# Altium PCB PCB2_homemade.PcbDoc (part 2 of 3)
Units mil, origin at the board's own origin, x right, y up, seen from the top; angles counter-clockwise.
Board outline 3547.27 x 5122.08 mil, 2 copper layers (Top Layer, Bottom Layer); 55 components, 55 nets, 298 pads, 98 vias.
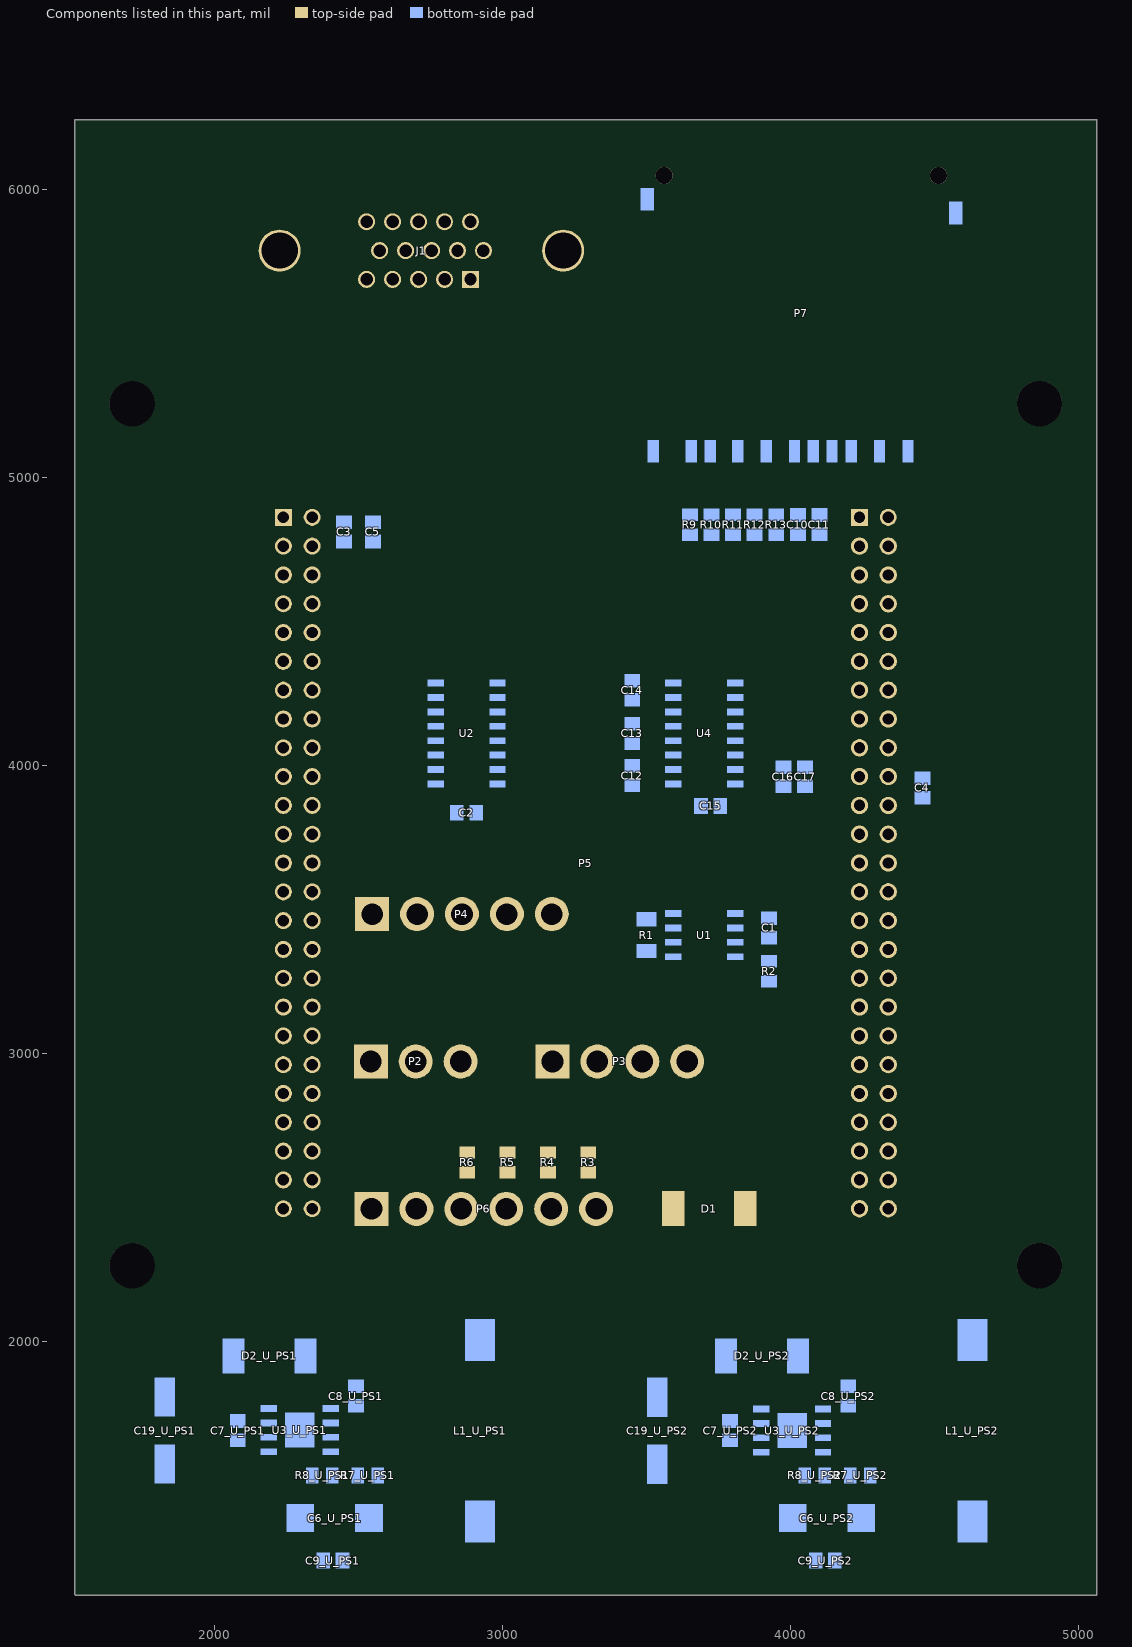
[diagram p2: the components of this part, seen from the top]

## Via types
v1: diameter 35.43/35.43 (per signal layer), hole 11.81, Top Layer to Bottom Layer, tented both sides, 66 vias
v2: diameter 47.24/47.24 (per signal layer), hole 19.68, Top Layer to Bottom Layer, tented both sides, 17 vias
v3: diameter 35.43, hole 11.81, Top Layer to Bottom Layer, tented top, 12 vias
v4: diameter 47.24/47.24 (per signal layer), hole 19.68, Top Layer to Bottom Layer, 3 vias

## Nets (pads, with @x,y where several pads share a name; then routed paths per layer and width w, separated by ;. In a path a pad name is that pad's centre, name@x,y a point inside that pad or via, vN(x,y) a via of type N, cw(c..) or ccw(c..) an arc to the next point about the centre after c; other vN are vias at no path point) (continued)
copper on no net: (continued)
  Bottom Layer w1: 1663.05,3105 1663.05,3726 ; 1664.05,3105 1664.05,3726 ; 1665.05,3105 1665.05,3726 ; 1666.05,3105 1666.05,3726 ; 1667.05,3105 1667.05,3726 ; 1668.05,3105 1668.05,3726 ; 1669.05,3105 1669.05,3726 ; 1670.05,3105 1670.05,3726 ; 1671.05,3105 1671.05,3726 ; 1672.05,3105 1672.05,3726 ; 1673.05,3105 1673.05,3726 ; 1674.05,3105 1674.05,3726 ; 1675.05,3105 1675.05,3726 ; 1676.05,3105 1676.05,3726 ; 1677.05,3105 1677.05,3726 ; 1678.05,3105 1678.05,3726 ; 1679.05,3105 1679.05,3726 ; 1680.05,3105 1680.05,3726 ; 1681.05,3105 1681.05,3726 ; 1682.05,3105 1682.05,3726 ; 1683.05,3105 1683.05,3726 ; 1684.05,3105 1684.05,3726 ; 1685.05,3105 1685.05,3726 ; 1686.05,3105 1686.05,3726 ; 1687.05,3105 1687.05,3726 ; 1688.05,3105 1688.05,3726 ; 1689.05,3105 1689.05,3726 ; 1690.05,3105 1690.05,3726 ; 1691.05,3105 1691.05,3726 ; 1692.05,3105 1692.05,3726 ; 1693.05,3105 1693.05,3726 ; 1694.05,3105 1694.05,3726 ; 1695.05,3105 1695.05,3726 ; 1696.05,3105 1696.05,3726 ; 1697.05,3105 1697.05,3726 ; 1698.05,3105 1698.05,3726 ; 1699.05,3105 1699.05,3726 ; 1700.05,3105 1700.05,3726 ; 1701.05,3105 1701.05,3605 ; 1701.05,3614 1701.05,3726 ; 1702.05,3105 1702.05,3602 ; 1702.05,3615 1702.05,3726 ; 1703.05,3105 1703.05,3599 ; 1703.05,3616 1703.05,3726 ; 1704.05,3105 1704.05,3597 ; 1704.05,3616 1704.05,3726 ; 1705.05,3105 1705.05,3595 ; 1705.05,3617 1705.05,3726 ; 1706.05,3105 1706.05,3139 ; 1706.05,3142 1706.05,3161 ; 1706.05,3188 1706.05,3235 ; 1706.05,3237 1706.05,3255 ; 1706.05,3285 1706.05,3295 ; 1706.05,3297 1706.05,3307 ; 1706.05,3309 1706.05,3350 ; 1706.05,3365 1706.05,3370 ; 1706.05,3399 1706.05,3594 ; 1706.05,3617 1706.05,3726 ; 1707.05,3105 1707.05,3138 ; 1707.05,3143 1707.05,3158 ; 1707.05,3191 1707.05,3233 ; 1707.05,3239 1707.05,3252 ; 1707.05,3287 1707.05,3293 ; 1707.05,3299 1707.05,3305 ; 1707.05,3311 1707.05,3347 ; 1707.05,3365 1707.05,3368 ; 1707.05,3402 1707.05,3592 ; 1707.05,3608 1707.05,3610 ; 1707.05,3617 1707.05,3726 ; 1708.05,3105 1708.05,3137 ; 1708.05,3144 1708.05,3156 ; 1708.05,3193 1708.05,3232 ; 1708.05,3239 1708.05,3250 ; 1708.05,3288 1708.05,3292 ; 1708.05,3300 1708.05,3304 ; 1708.05,3312 1708.05,3345 ; 1708.05,3365 1708.05,3367 ; 1708.05,3404 1708.05,3591 ; 1708.05,3606 1708.05,3611 ; 1708.05,3617 1708.05,3726 ; 1709.05,3105 1709.05,3137 ; 1709.05,3145 1709.05,3155 ; 1709.05,3194 1709.05,3232 ; 1709.05,3239 1709.05,3248 ; 1709.05,3288 1709.05,3292 ; 1709.05,3300 1709.05,3304 ; 1709.05,3312 1709.05,3344 ; 1709.05,3365 1709.05,3367 ; 1709.05,3405 1709.05,3590 ; 1709.05,3604 1709.05,3611 ; 1709.05,3617 1709.05,3726 ; 1710.05,3105 1710.05,3137 ; 1710.05,3145 1710.05,3154 ; 1710.05,3196 1710.05,3232 ; 1710.05,3239 1710.05,3247 ; 1710.05,3288 1710.05,3292 ; 1710.05,3300 1710.05,3304 ; 1710.05,3312 1710.05,3343 ; 1710.05,3365 1710.05,3367 ; 1710.05,3406 1710.05,3588 ; 1710.05,3603 1710.05,3612 ; 1710.05,3617 1710.05,3726 ; 1711.05,3105 1711.05,3137 ; 1711.05,3145 1711.05,3153 ; 1711.05,3197 1711.05,3232 ; 1711.05,3239 1711.05,3246 ; 1711.05,3288 1711.05,3292 ; 1711.05,3300 1711.05,3304 ; 1711.05,3312 1711.05,3342 ; 1711.05,3365 1711.05,3368 ; 1711.05,3407 1711.05,3587 ; 1711.05,3601 1711.05,3612 ; 1711.05,3617 1711.05,3726 ; 1712.05,3105 1712.05,3137 ; 1712.05,3145 1712.05,3152 ; 1712.05,3198 1712.05,3232 ; 1712.05,3239 1712.05,3246 ; 1712.05,3287 1712.05,3292 ; 1712.05,3300 1712.05,3304 ; 1712.05,3312 1712.05,3341 ; 1712.05,3365 1712.05,3368 ; 1712.05,3408 1712.05,3585 ; 1712.05,3600 1712.05,3611 ; 1712.05,3616 1712.05,3726 ; 1713.05,3105 1713.05,3137 ; 1713.05,3145 1713.05,3151 ; 1713.05,3163 1713.05,3186 ; 1713.05,3199 1713.05,3232 ; 1713.05,3239 1713.05,3245 ; 1713.05,3259 1713.05,3292 ; 1713.05,3300 1713.05,3304 ; 1713.05,3312 1713.05,3340 ; 1713.05,3353 1713.05,3358 ; 1713.05,3365 1713.05,3395 ; 1713.05,3409 1713.05,3583 ; 1713.05,3598 1713.05,3611 ; 1713.05,3616 1713.05,3726 ; 1714.05,3105 1714.05,3137 ; 1714.05,3145 1714.05,3151 ; 1714.05,3160 1714.05,3189 ; 1714.05,3199 1714.05,3232 ; 1714.05,3239 1714.05,3245 ; 1714.05,3254 1714.05,3292 ; 1714.05,3300 1714.05,3304 ; 1714.05,3312 1714.05,3339 ; 1714.05,3350 1714.05,3358 ; 1714.05,3365 1714.05,3400 ; 1714.05,3409 1714.05,3581 ; 1714.05,3597 1714.05,3611 ; 1714.05,3615 1714.05,3726 ; 1715.05,3105 1715.05,3137 ; 1715.05,3145 1715.05,3151 ; 1715.05,3159 1715.05,3190 ; 1715.05,3200 1715.05,3232 ; 1715.05,3239 1715.05,3244 ; 1715.05,3253 1715.05,3292 ; 1715.05,3300 1715.05,3304 ; 1715.05,3312 1715.05,3338 ; 1715.05,3348 1715.05,3357 ; 1715.05,3365 1715.05,3401 ; 1715.05,3409 1715.05,3578 ; 1715.05,3596 1715.05,3611 ; 1715.05,3615 1715.05,3726 ; 1716.05,3105 1716.05,3137 ; 1716.05,3145 1716.05,3150 ; 1716.05,3158 1716.05,3191 ; 1716.05,3201 1716.05,3232 ; 1716.05,3239 1716.05,3244 ; 1716.05,3252 1716.05,3292 ; 1716.05,3300 1716.05,3304 ; 1716.05,3312 1716.05,3337 ; 1716.05,3347 1716.05,3357 ; 1716.05,3365 1716.05,3401 ; 1716.05,3410 1716.05,3575 ; 1716.05,3598 1716.05,3611 ; 1716.05,3614 1716.05,3726 ; 1717.05,3105 1717.05,3137 ; 1717.05,3145 1717.05,3150 ; 1717.05,3158 1717.05,3192 ; 1717.05,3202 1717.05,3232 ; 1717.05,3239 1717.05,3244 ; 1717.05,3252 1717.05,3292 ; 1717.05,3300 1717.05,3304 ; 1717.05,3312 1717.05,3337 ; 1717.05,3346 1717.05,3357 ; 1717.05,3365 1717.05,3402 ; 1717.05,3410 1717.05,3572 ; 1717.05,3601 1717.05,3611 ; 1717.05,3613 1717.05,3726 ; 1718.05,3105 1718.05,3137 ; 1718.05,3145 1718.05,3150 ; 1718.05,3158 1718.05,3193 ; 1718.05,3202 1718.05,3232 ; 1718.05,3239 1718.05,3244 ; 1718.05,3252 1718.05,3292 ; 1718.05,3300 1718.05,3304 ; 1718.05,3312 1718.05,3336 ; 1718.05,3345 1718.05,3357 ; 1718.05,3365 1718.05,3402 ; 1718.05,3410 1718.05,3569 ; 1718.05,3603 1718.05,3726 ; 1719.05,3105 1719.05,3137 ; 1719.05,3145 1719.05,3150 ; 1719.05,3158 1719.05,3194 ; 1719.05,3203 1719.05,3232 ; 1719.05,3239 1719.05,3244 ; 1719.05,3252 1719.05,3292 ; 1719.05,3300 1719.05,3304 ; 1719.05,3312 1719.05,3335 ; 1719.05,3344 1719.05,3357 ; 1719.05,3365 1719.05,3402 ; 1719.05,3410 1719.05,3567 ; 1719.05,3605 1719.05,3726 ; 1720.05,3105 1720.05,3137 ; 1720.05,3145 1720.05,3150 ; 1720.05,3158 1720.05,3194 ; 1720.05,3204 1720.05,3232 ; 1720.05,3239 1720.05,3244 ; 1720.05,3252 1720.05,3292 ; 1720.05,3300 1720.05,3304 ; 1720.05,3312 1720.05,3334 ; 1720.05,3344 1720.05,3357 ; 1720.05,3365 1720.05,3402 ; 1720.05,3410 1720.05,3566 ; 1720.05,3606 1720.05,3726 ; 1721.05,3105 1721.05,3137 ; 1721.05,3145 1721.05,3150 ; 1721.05,3159 1721.05,3195 ; 1721.05,3204 1721.05,3232 ; 1721.05,3239 1721.05,3244 ; 1721.05,3252 1721.05,3292 ; 1721.05,3300 1721.05,3304 ; 1721.05,3312 1721.05,3334 ; 1721.05,3343 1721.05,3357 ; 1721.05,3365 1721.05,3402 ; 1721.05,3410 1721.05,3565 ; 1721.05,3607 1721.05,3726 ; 1722.05,3105 1722.05,3137 ; 1722.05,3145 1722.05,3151 ; 1722.05,3161 1722.05,3196 ; 1722.05,3205 1722.05,3232 ; 1722.05,3239 1722.05,3244 ; 1722.05,3252 1722.05,3292 ; 1722.05,3300 1722.05,3304 ; 1722.05,3312 1722.05,3333 ; 1722.05,3342 1722.05,3357 ; 1722.05,3365 1722.05,3402 ; 1722.05,3410 1722.05,3565 ; 1722.05,3608 1722.05,3726 ; 1723.05,3105 1723.05,3137 ; 1723.05,3145 1723.05,3151 ; 1723.05,3174 1723.05,3196 ; 1723.05,3205 1723.05,3232 ; 1723.05,3239 1723.05,3244 ; 1723.05,3252 1723.05,3292 ; 1723.05,3300 1723.05,3304 ; 1723.05,3312 1723.05,3332 ; 1723.05,3342 1723.05,3357 ; 1723.05,3365 1723.05,3379 ; 1723.05,3410 1723.05,3564 ; 1723.05,3609 1723.05,3726 ; 1724.05,3105 1724.05,3137 ; 1724.05,3145 1724.05,3151 ; 1724.05,3178 1724.05,3197 ; 1724.05,3206 1724.05,3232 ; 1724.05,3239 1724.05,3244 ; 1724.05,3252 1724.05,3292 ; 1724.05,3300 1724.05,3304 ; 1724.05,3312 1724.05,3332 ; 1724.05,3341 1724.05,3357 ; 1724.05,3365 1724.05,3377 ; 1724.05,3410 1724.05,3444 ; 1724.05,3446 1724.05,3563 ; 1724.05,3610 1724.05,3726 ; 1725.05,3105 1725.05,3137 ; 1725.05,3145 1725.05,3152 ; 1725.05,3180 1725.05,3198 ; 1725.05,3207 1725.05,3232 ; 1725.05,3239 1725.05,3244 ; 1725.05,3252 1725.05,3292 ; 1725.05,3300 1725.05,3304 ; 1725.05,3312 1725.05,3331 ; 1725.05,3340 1725.05,3357 ; 1725.05,3365 1725.05,3377 ; 1725.05,3410 1725.05,3444 ; 1725.05,3447 1725.05,3563 ; 1725.05,3610 1725.05,3726 ; 1726.05,3105 1726.05,3137 ; 1726.05,3144 1726.05,3153 ; 1726.05,3182 1726.05,3198 ; 1726.05,3207 1726.05,3232 ; 1726.05,3239 1726.05,3244 ; 1726.05,3252 1726.05,3292 ; 1726.05,3300 1726.05,3304 ; 1726.05,3312 1726.05,3330 ; 1726.05,3340 1726.05,3357 ; 1726.05,3365 1726.05,3377 ; 1726.05,3410 1726.05,3444 ; 1726.05,3448 1726.05,3562 ; 1726.05,3611 1726.05,3726 ; 1727.05,3105 1727.05,3137 ; 1727.05,3144 1727.05,3154 ; 1727.05,3183 1727.05,3199 ; 1727.05,3208 1727.05,3232 ; 1727.05,3239 1727.05,3244 ; 1727.05,3252 1727.05,3292 ; 1727.05,3300 1727.05,3304 ; 1727.05,3312 1727.05,3330 ; 1727.05,3339 1727.05,3357 ; 1727.05,3365 1727.05,3377 ; 1727.05,3410 1727.05,3435 ; 1727.05,3437 1727.05,3444 ; 1727.05,3449 1727.05,3561 ; 1727.05,3611 1727.05,3726 ; 1728.05,3105 1728.05,3137 ; 1728.05,3144 1728.05,3156 ; 1728.05,3184 1728.05,3199 ; 1728.05,3208 1728.05,3232 ; 1728.05,3239 1728.05,3244 ; 1728.05,3252 1728.05,3292 ; 1728.05,3300 1728.05,3304 ; 1728.05,3312 1728.05,3329 ; 1728.05,3338 1728.05,3357 ; 1728.05,3365 1728.05,3377 ; 1728.05,3410 1728.05,3435 ; 1728.05,3439 1728.05,3444 ; 1728.05,3449 1728.05,3561 ; 1728.05,3591 1728.05,3604 ; 1728.05,3612 1728.05,3726 ; 1729.05,3105 1729.05,3137 ; 1729.05,3144 1729.05,3159 ; 1729.05,3184 1729.05,3200 ; 1729.05,3209 1729.05,3232 ; 1729.05,3239 1729.05,3244 ; 1729.05,3252 1729.05,3292 ; 1729.05,3300 1729.05,3304 ; 1729.05,3312 1729.05,3329 ; 1729.05,3338 1729.05,3357 ; 1729.05,3365 1729.05,3378 ; 1729.05,3410 1729.05,3436 ; 1729.05,3441 1729.05,3445 ; 1729.05,3450 1729.05,3560 ; 1729.05,3592 1729.05,3604 ; 1729.05,3612 1729.05,3726 ; 1730.05,3105 1730.05,3137 ; 1730.05,3144 1730.05,3167 ; 1730.05,3185 1730.05,3201 ; 1730.05,3210 1730.05,3232 ; 1730.05,3239 1730.05,3244 ; 1730.05,3252 1730.05,3292 ; 1730.05,3300 1730.05,3304 ; 1730.05,3312 1730.05,3328 ; 1730.05,3337 1730.05,3357 ; 1730.05,3365 1730.05,3380 ; 1730.05,3410 1730.05,3437 ; 1730.05,3442 1730.05,3445 ; 1730.05,3451 1730.05,3560 ; 1730.05,3580 1730.05,3583 ; 1730.05,3592 1730.05,3605 ; 1730.05,3612 1730.05,3726 ; 1731.05,3105 1731.05,3137 ; 1731.05,3144 1731.05,3175 ; 1731.05,3185 1731.05,3201 ; 1731.05,3210 1731.05,3232 ; 1731.05,3239 1731.05,3244 ; 1731.05,3252 1731.05,3292 ; 1731.05,3300 1731.05,3304 ; 1731.05,3312 1731.05,3327 ; 1731.05,3336 1731.05,3357 ; 1731.05,3365 1731.05,3437 ; 1731.05,3443 1731.05,3445 ; 1731.05,3451 1731.05,3559 ; 1731.05,3579 1731.05,3584 ; 1731.05,3592 1731.05,3605 ; 1731.05,3612 1731.05,3726 ; 1732.05,3105 1732.05,3137 ; 1732.05,3144 1732.05,3177 ; 1732.05,3186 1732.05,3202 ; 1732.05,3211 1732.05,3232 ; 1732.05,3239 1732.05,3244 ; 1732.05,3252 1732.05,3292 ; 1732.05,3300 1732.05,3304 ; 1732.05,3312 1732.05,3326 ; 1732.05,3336 1732.05,3357 ; 1732.05,3365 1732.05,3403 ; 1732.05,3408 1732.05,3437 ; 1732.05,3443 1732.05,3445 ; 1732.05,3452 1732.05,3559 ; 1732.05,3578 1732.05,3585 ; 1732.05,3593 1732.05,3606 ; 1732.05,3612 1732.05,3726 ; 1733.05,3105 1733.05,3137 ; 1733.05,3145 1733.05,3178 ; 1733.05,3186 1733.05,3202 ; 1733.05,3212 1733.05,3232 ; 1733.05,3239 1733.05,3244 ; 1733.05,3252 1733.05,3292 ; 1733.05,3300 1733.05,3304 ; 1733.05,3312 1733.05,3326 ; 1733.05,3335 1733.05,3357 ; 1733.05,3365 1733.05,3402 ; 1733.05,3409 1733.05,3438 ; 1733.05,3444 1733.05,3445 ; 1733.05,3452 1733.05,3558 ; 1733.05,3577 1733.05,3586 ; 1733.05,3593 1733.05,3606 ; 1733.05,3612 1733.05,3726 ; 1734.05,3105 1734.05,3137 ; 1734.05,3145 1734.05,3178 ; 1734.05,3186 1734.05,3203 ; 1734.05,3212 1734.05,3232 ; 1734.05,3239 1734.05,3244 ; 1734.05,3252 1734.05,3292 ; 1734.05,3300 1734.05,3304 ; 1734.05,3312 1734.05,3325 ; 1734.05,3334 1734.05,3358 ; 1734.05,3365 1734.05,3402 ; 1734.05,3410 1734.05,3438 ; 1734.05,3453 1734.05,3557 ; 1734.05,3576 1734.05,3586 ; 1734.05,3593 1734.05,3606 ; 1734.05,3612 1734.05,3726 ; 1735.05,3105 1735.05,3137 ; 1735.05,3145 1735.05,3178 ; 1735.05,3186 1735.05,3204 ; 1735.05,3213 1735.05,3232 ; 1735.05,3239 1735.05,3244 ; 1735.05,3252 1735.05,3292 ; 1735.05,3300 1735.05,3304 ; 1735.05,3312 1735.05,3324 ; 1735.05,3334 1735.05,3358 ; 1735.05,3365 1735.05,3402 ; 1735.05,3410 1735.05,3438 ; 1735.05,3445 1735.05,3446 ; 1735.05,3453 1735.05,3557 ; 1735.05,3575 1735.05,3587 ; 1735.05,3593 1735.05,3606 ; 1735.05,3611 1735.05,3726 ; 1736.05,3105 1736.05,3137 ; 1736.05,3145 1736.05,3178 ; 1736.05,3186 1736.05,3204 ; 1736.05,3214 1736.05,3232 ; 1736.05,3239 1736.05,3244 ; 1736.05,3252 1736.05,3292 ; 1736.05,3300 1736.05,3304 ; 1736.05,3312 1736.05,3323 ; 1736.05,3333 1736.05,3358 ; 1736.05,3366 1736.05,3402 ; 1736.05,3410 1736.05,3439 ; 1736.05,3454 1736.05,3556 ; 1736.05,3574 1736.05,3587 ; 1736.05,3593 1736.05,3605 ; 1736.05,3611 1736.05,3726 ; 1737.05,3105 1737.05,3137 ; 1737.05,3145 1737.05,3178 ; 1737.05,3186 1737.05,3205 ; 1737.05,3215 1737.05,3232 ; 1737.05,3239 1737.05,3244 ; 1737.05,3252 1737.05,3292 ; 1737.05,3300 1737.05,3304 ; 1737.05,3312 1737.05,3322 ; 1737.05,3332 1737.05,3358 ; 1737.05,3366 1737.05,3401 ; 1737.05,3410 1737.05,3439 ; 1737.05,3454 1737.05,3555 ; 1737.05,3574 1737.05,3587 ; 1737.05,3592 1737.05,3605 ; 1737.05,3611 1737.05,3726 ; 1738.05,3105 1738.05,3137 ; 1738.05,3146 1738.05,3177 ; 1738.05,3186 1738.05,3206 ; 1738.05,3216 1738.05,3232 ; 1738.05,3239 1738.05,3244 ; 1738.05,3253 1738.05,3292 ; 1738.05,3300 1738.05,3304 ; 1738.05,3312 1738.05,3321 ; 1738.05,3331 1738.05,3358 ; 1738.05,3367 1738.05,3401 ; 1738.05,3409 1738.05,3439 ; 1738.05,3455 1738.05,3554 ; 1738.05,3573 1738.05,3586 ; 1738.05,3592 1738.05,3604 ; 1738.05,3611 1738.05,3726 ; 1739.05,3105 1739.05,3138 ; 1739.05,3147 1739.05,3176 ; 1739.05,3185 1739.05,3207 ; 1739.05,3218 1739.05,3232 ; 1739.05,3239 1739.05,3245 ; 1739.05,3254 1739.05,3292 ; 1739.05,3300 1739.05,3304 ; 1739.05,3312 1739.05,3320 ; 1739.05,3331 1739.05,3358 ; 1739.05,3368 1739.05,3400 ; 1739.05,3409 1739.05,3439 ; 1739.05,3456 1739.05,3459 ; 1739.05,3461 1739.05,3553 ; 1739.05,3573 1739.05,3586 ; 1739.05,3592 1739.05,3604 ; 1739.05,3610 1739.05,3726 ; 1740.05,3105 1740.05,3138 ; 1740.05,3185 1740.05,3207 ; 1740.05,3239 1740.05,3245 ; 1740.05,3286 1740.05,3292 ; 1740.05,3300 1740.05,3304 ; 1740.05,3330 1740.05,3359 ; 1740.05,3408 1740.05,3439 ; 1740.05,3461 1740.05,3553 ; 1740.05,3573 1740.05,3585 ; 1740.05,3591 1740.05,3603 ; 1740.05,3609 1740.05,3726 ; 1741.05,3105 1741.05,3139 ; 1741.05,3184 1741.05,3208 ; 1741.05,3239 1741.05,3246 ; 1741.05,3287 1741.05,3292 ; 1741.05,3300 1741.05,3304 ; 1741.05,3329 1741.05,3360 ; 1741.05,3408 1741.05,3439 ; 1741.05,3461 1741.05,3552 ; 1741.05,3572 1741.05,3585 ; 1741.05,3590 1741.05,3602 ; 1741.05,3608 1741.05,3726 ; 1742.05,3105 1742.05,3139 ; 1742.05,3184 1742.05,3209 ; 1742.05,3239 1742.05,3246 ; 1742.05,3288 1742.05,3292 ; 1742.05,3300 1742.05,3304 ; 1742.05,3328 1742.05,3360 ; 1742.05,3407 1742.05,3439 ; 1742.05,3461 1742.05,3551 ; 1742.05,3572 1742.05,3584 ; 1742.05,3588 1742.05,3602 ; 1742.05,3605 1742.05,3726 ; 1743.05,3105 1743.05,3140 ; 1743.05,3183 1743.05,3210 ; 1743.05,3239 1743.05,3247 ; 1743.05,3288 1743.05,3292 ; 1743.05,3300 1743.05,3304 ; 1743.05,3327 1743.05,3361 ; 1743.05,3406 1743.05,3439 ; 1743.05,3462 1743.05,3550 ; 1743.05,3572 1743.05,3584 ; 1743.05,3586 1743.05,3726 ; 1744.05,3105 1744.05,3141 ; 1744.05,3182 1744.05,3212 ; 1744.05,3239 1744.05,3248 ; 1744.05,3288 1744.05,3292 ; 1744.05,3300 1744.05,3304 ; 1744.05,3326 1744.05,3362 ; 1744.05,3405 1744.05,3439 ; 1744.05,3462 1744.05,3549 ; 1744.05,3572 1744.05,3726 ; 1745.05,3105 1745.05,3143 ; 1745.05,3180 1745.05,3213 ; 1745.05,3239 1745.05,3250 ; 1745.05,3288 1745.05,3292 ; 1745.05,3300 1745.05,3304 ; 1745.05,3324 1745.05,3364 ; 1745.05,3404 1745.05,3439 ; 1745.05,3462 1745.05,3548 ; 1745.05,3571 1745.05,3726 ; 1746.05,3105 1746.05,3145 ; 1746.05,3178 1746.05,3215 ; 1746.05,3239 1746.05,3252 ; 1746.05,3286 1746.05,3293 ; 1746.05,3299 1746.05,3304 ; 1746.05,3323 1746.05,3366 ; 1746.05,3402 1746.05,3438 ; 1746.05,3463 1746.05,3547 ; 1746.05,3571 1746.05,3726 ; 1747.05,3105 1747.05,3438 ; 1747.05,3463 1747.05,3546 ; 1747.05,3571 1747.05,3726 ; 1748.05,3105 1748.05,3437 ; 1748.05,3464 1748.05,3545 ; 1748.05,3571 1748.05,3726 ; 1749.05,3105 1749.05,3435 ; 1749.05,3465 1749.05,3544 ; 1749.05,3571 1749.05,3726 ; 1750.05,3105 1750.05,3434 ; 1750.05,3465 1750.05,3543 ; 1750.05,3570 1750.05,3726 ; 1751.05,3105 1751.05,3432 ; 1751.05,3466 1751.05,3542 ; 1751.05,3570 1751.05,3726 ; 1752.05,3105 1752.05,3432 ; 1752.05,3467 1752.05,3541 ; 1752.05,3570 1752.05,3726 ; 1753.05,3105 1753.05,3434 ; 1753.05,3468 1753.05,3540 ; 1753.05,3569 1753.05,3726 ; 1754.05,3105 1754.05,3434 ; 1754.05,3468 1754.05,3540 ; 1754.05,3569 1754.05,3726 ; 1755.05,3105 1755.05,3433 ; 1755.05,3469 1755.05,3539 ; 1755.05,3569 1755.05,3726 ; 1756.05,3105 1756.05,3433 ; 1756.05,3470 1756.05,3539 ; 1756.05,3568 1756.05,3726 ; 1757.05,3105 1757.05,3433 ; 1757.05,3471 1757.05,3538 ; 1757.05,3568 1757.05,3726 ; 1758.05,3105 1758.05,3135 ; 1758.05,3207 1758.05,3210 ; 1758.05,3301 1758.05,3329 ; 1758.05,3352 1758.05,3389 ; 1758.05,3412 1758.05,3433 ; 1758.05,3472 1758.05,3537 ; 1758.05,3567 1758.05,3726 ; 1759.05,3105 1759.05,3135 ; 1759.05,3207 1759.05,3210 ; 1759.05,3305 1759.05,3329 ; 1759.05,3352 1759.05,3389 ; 1759.05,3412 1759.05,3433 ; 1759.05,3474 1759.05,3536 ; 1759.05,3567 1759.05,3726 ; 1760.05,3105 1760.05,3135 ; 1760.05,3207 1760.05,3210 ; 1760.05,3307 1760.05,3329 ; 1760.05,3352 1760.05,3389 ; 1760.05,3412 1760.05,3433 ; 1760.05,3475 1760.05,3535 ; 1760.05,3566 1760.05,3726 ; 1761.05,3105 1761.05,3136 ; 1761.05,3207 1761.05,3210 ; 1761.05,3309 1761.05,3329 ; 1761.05,3352 1761.05,3389 ; 1761.05,3412 1761.05,3433 ; 1761.05,3441 1761.05,3443 ; 1761.05,3476 1761.05,3534 ; 1761.05,3566 1761.05,3726 ; 1762.05,3105 1762.05,3136 ; 1762.05,3207 1762.05,3210 ; 1762.05,3311 1762.05,3329 ; 1762.05,3352 1762.05,3389 ; 1762.05,3412 1762.05,3433 ; 1762.05,3441 1762.05,3445 ; 1762.05,3477 1762.05,3532 ; 1762.05,3566 1762.05,3623 ; 1762.05,3632 1762.05,3726 ; 1763.05,3105 1763.05,3137 ; 1763.05,3207 1763.05,3210 ; 1763.05,3312 1763.05,3329 ; 1763.05,3352 1763.05,3389 ; 1763.05,3412 1763.05,3433 ; 1763.05,3440 1763.05,3446 ; 1763.05,3479 1763.05,3508 ; 1763.05,3511 1763.05,3530 ; 1763.05,3565 1763.05,3621 ; 1763.05,3635 1763.05,3641 ; 1763.05,3642 1763.05,3726 ; 1764.05,3105 1764.05,3137 ; 1764.05,3207 1764.05,3210 ; 1764.05,3314 1764.05,3329 ; 1764.05,3352 1764.05,3389 ; 1764.05,3412 1764.05,3434 ; 1764.05,3440 1764.05,3447 ; 1764.05,3481 1764.05,3506 ; 1764.05,3512 1764.05,3527 ; 1764.05,3565 1764.05,3620 ; 1764.05,3636 1764.05,3641 ; 1764.05,3645 1764.05,3726 ; 1765.05,3105 1765.05,3137 ; 1765.05,3207 1765.05,3210 ; 1765.05,3315 1765.05,3329 ; 1765.05,3352 1765.05,3389 ; 1765.05,3412 1765.05,3436 ; 1765.05,3439 1765.05,3447 ; 1765.05,3482 1765.05,3505 ; 1765.05,3514 1765.05,3524 ; 1765.05,3565 1765.05,3619 ; 1765.05,3638 1765.05,3642 ; 1765.05,3647 1765.05,3726 ; 1766.05,3105 1766.05,3138 ; 1766.05,3207 1766.05,3210 ; 1766.05,3316 1766.05,3329 ; 1766.05,3352 1766.05,3389 ; 1766.05,3412 1766.05,3436 ; 1766.05,3438 1766.05,3448 ; 1766.05,3485 1766.05,3503 ; 1766.05,3515 1766.05,3522 ; 1766.05,3564 1766.05,3618 ; 1766.05,3639 1766.05,3643 ; 1766.05,3649 1766.05,3726 ; 1767.05,3105 1767.05,3138 ; 1767.05,3207 1767.05,3210 ; 1767.05,3317 1767.05,3329 ; 1767.05,3352 1767.05,3389 ; 1767.05,3412 1767.05,3448 ; 1767.05,3488 1767.05,3501 ; 1767.05,3516 1767.05,3520 ; 1767.05,3564 1767.05,3618 ; 1767.05,3641 1767.05,3644 ; 1767.05,3651 1767.05,3726 ; 1768.05,3105 1768.05,3139 ; 1768.05,3207 1768.05,3210 ; 1768.05,3318 1768.05,3329 ; 1768.05,3352 1768.05,3389 ; 1768.05,3412 1768.05,3449 ; 1768.05,3517 1768.05,3521 ; 1768.05,3564 1768.05,3618 ; 1768.05,3642 1768.05,3644 ; 1768.05,3652 1768.05,3726 ; 1769.05,3105 1769.05,3139 ; 1769.05,3207 1769.05,3210 ; 1769.05,3319 1769.05,3329 ; 1769.05,3352 1769.05,3389 ; 1769.05,3412 1769.05,3449 ; 1769.05,3519 1769.05,3523 ; 1769.05,3564 1769.05,3617 ; 1769.05,3643 1769.05,3645 ; 1769.05,3653 1769.05,3726 ; 1770.05,3105 1770.05,3140 ; 1770.05,3207 1770.05,3210 